# KiCad board ECUGDI.kicad_pcb (continued)
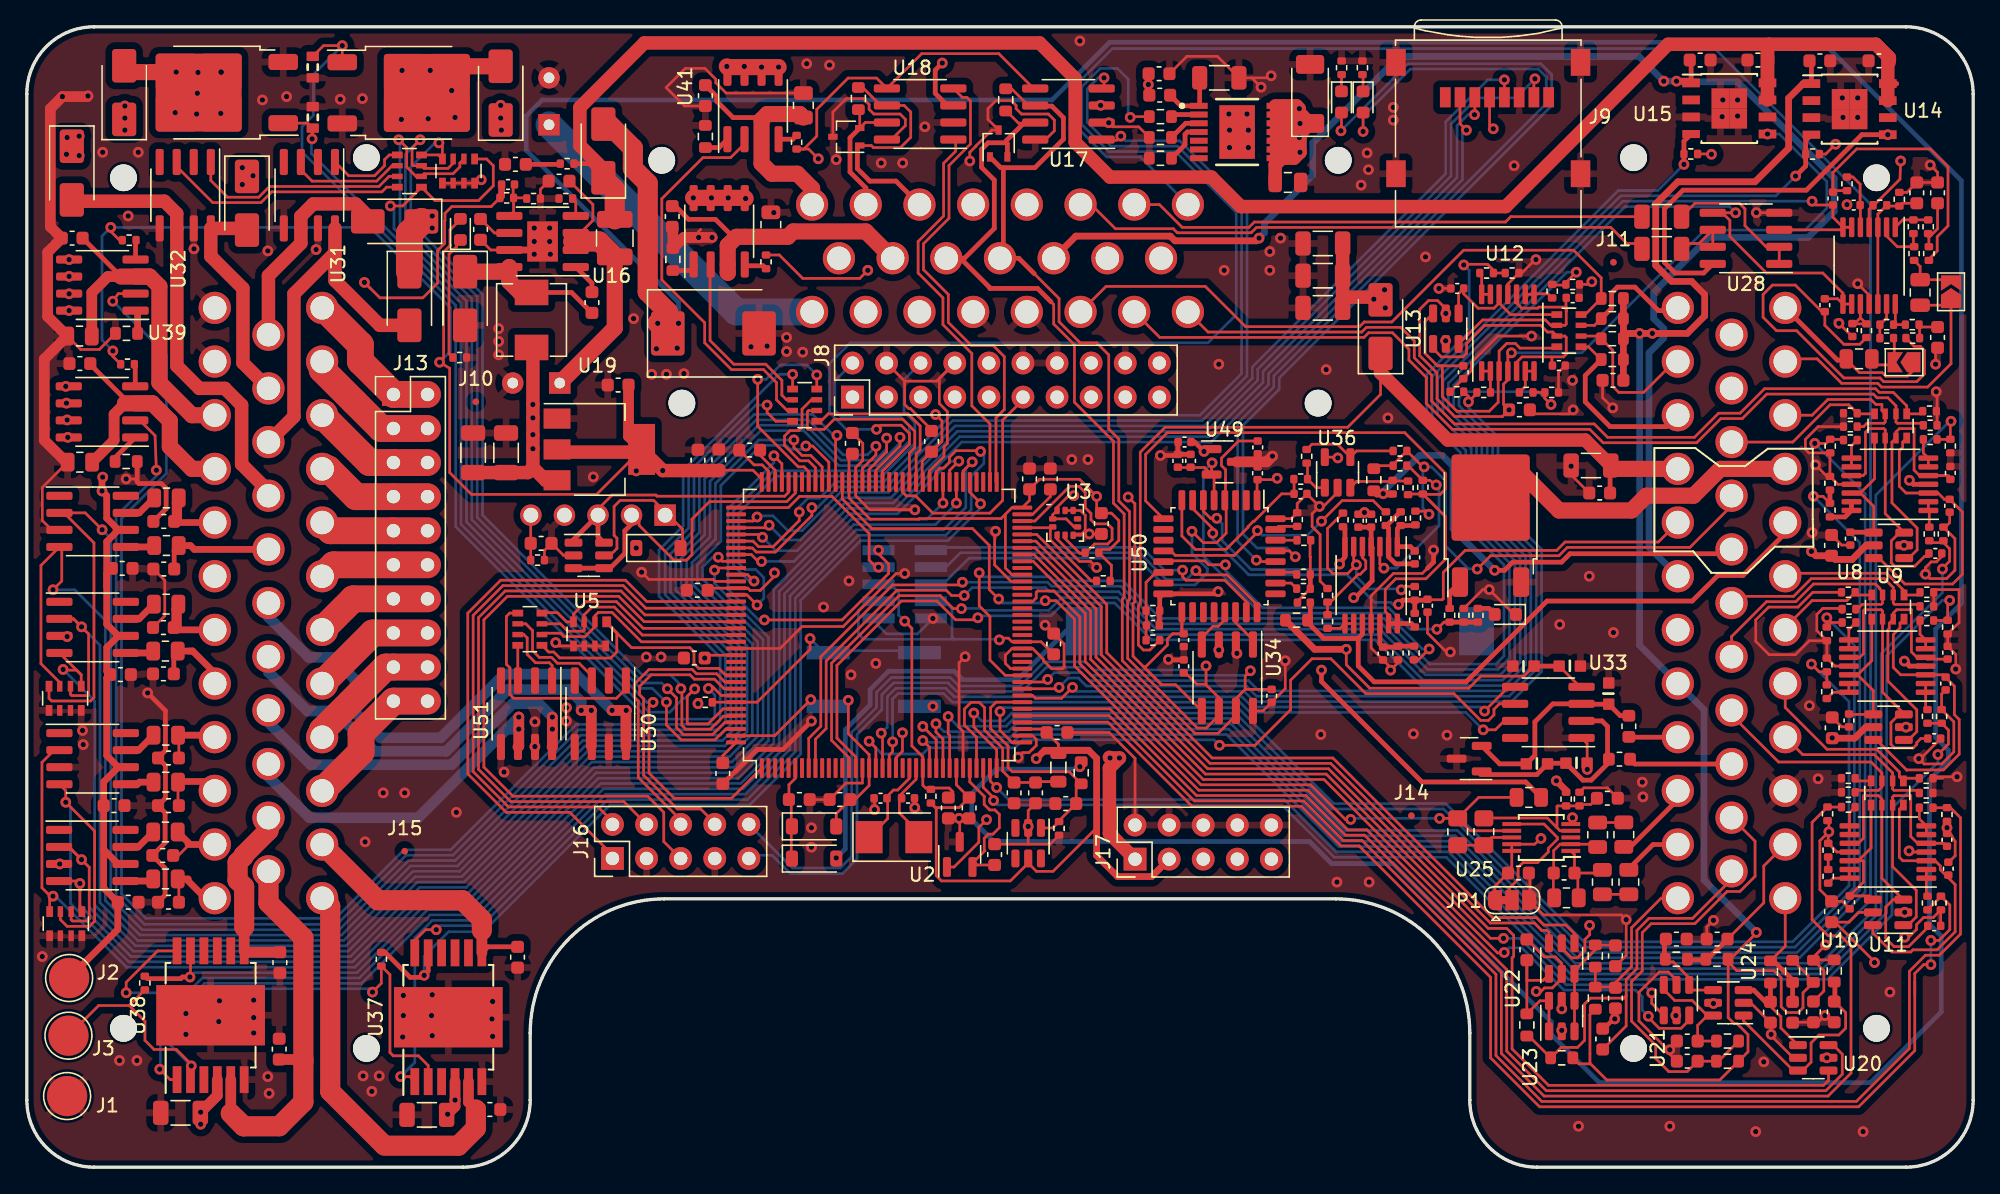
[diagram p0: board, top side]
## Routing (per net, layer and track width the routed paths; a pad name or vN(x,y) marks a point on that pad's centre or on a via; arc(x,y) is an arc through that point) (continued)
/ingect-1: length 47.2
  Top w0.2: U4.123 46.18,42.16 44.59,43.75 35.3,43.75 32.85,41.3 32.85,29.32 35.72,26.45 40.45,26.45 43.63,23.27 J16.1
/ingect-2: length 45
  Top w0.2: J16.2 43.63,25.77 42.55,26.85 35.88,26.85 33.25,29.48 33.25,41.13 35.47,43.35 44.43,43.35 46.12,41.66 U4.124
/ingect-3: length 46.3
  Top w0.2: J16.4 44.47,27.25 36.05,27.25 33.65,29.65 33.65,40.97 35.63,42.95 44.26,42.95 46.05,41.16 U4.125
/ingect-4: length 50
  Top w0.2: J16.5 47.45,24.27 47.45,26.45 46.25,27.65 36.22,27.65 34.05,29.82 34.05,40.8 35.8,42.55 44.1,42.55 45.98,40.66 U4.126
/ingect-5: length 39.7
  Top w0.8: v1(43.6,34.05) v1(44.65,34.05) 44.63,34.03 U30.8
  Bottom w0.8: v1(44.65,34.05) v1(43.6,34.05) 40.9,36.75 35.57,36.75 30.82,32 26.35,32 24.45,33.9 24.45,36.35 22.8,38 21,38 18,41 J4.18
/ingect-6: length 33.3
  Top w0.8: v1(41.3,34.05) v1(42.05,34.05) 42.05,31.37
  Bottom w0.8: J4.19 18,36.9 20.9,34 22.9,34 25.9,31 31.24,31 35.84,35.6 40.4,35.6 41.3,34.7 v1(41.3,34.05)
/ingect-7: length 27.9
  Top w0.5: 39.1,31.3 U51.8
  Top w0.8: v1(39.15,33.55) v1(39.15,32.65) 39.15,31.35 U51.8
  Bottom w0.8: J4.20 18,33.15 21.15,30 31.65,30 36.2,34.55 38.15,34.55 v1(39.15,33.55)
/ingect-8: length 27.1
  Top w0.8: v1(36.65,33.55) v1(36.65,32.65) 36.65,31.39 U51.6
  Bottom w0.8: J4.21 18,29.1 21.05,26.05 29.15,26.05 35.78,32.68 ; 35.78,32.68 35.8,32.65 v1(36.65,32.65) ; 35.78,32.68 v1(36.65,33.55)
/knock/FILTERED_1: length 131.3
  Top w0.2: U28.3 135.11,69.87 U27.7 ; U4.14 61.25,30.52 59.95,31.82 59.95,37.57 64.98,42.6 68.05,42.6 69.02,41.63 v1(69.62,41.63) ; U27.7 U27.6 ; U27.7 134.55,70.81 C135.2 133.28,71.72 v1(133,72)
  Bottom w0.2: 133.05,72 v1(133,72) 118.9,72 105.5,58.6 105.5,56.26 108,53.76 108,48.64 111.25,45.39 111.25,37.61 109.94,36.3 104.02,36.3 100.62,39.7 83.97,39.7 81.22,42.45 77.08,42.45 76.13,41.5 71.29,41.5 71.14,41.65 69.64,41.65 v1(69.62,41.63)
/knock/FILTERED_2: length 133.5
  Top w0.2: 134.2,64.73 134.91,64.73 U27.8 ; U27.9 U27.8 ; U27.8 135.3,65.15 133.8,66.65 129.6,66.65 126.88,69.38 126.88,70.58 126.31,71.14 U28.5 v1(127.3,71.14) ; v1(70.85,40.95) 70.7,40.8 69.2,40.8 67.8,42.2 65.15,42.2 60.35,37.4 60.35,31.98 61.75,30.58 U4.15
  Bottom w0.2: v1(70.85,40.95) 71,41.1 76.3,41.1 77.25,42.05 81.05,42.05 83.8,39.3 100.46,39.3 103.86,35.9 110.1,35.9 111.65,37.45 111.65,45.55 108.4,48.8 108.4,53.93 105.9,56.43 105.9,58.44 119.06,71.6 126.84,71.6 v1(127.3,71.14)
/knock/V_mid: length 10
  Top w0.2: C130.2 139.71,71.85 R138.1 138.62,71.64 R137.1 137.9,71.04 U27.3 U27.12
/KNOCK_1: length 21.1
  Top w0.2: C131.2 143.07,64.25 JP2.1 143.35,59.89 141.61,58.15 138.17,58.15 137.89,58.43 135.21,58.43 133.38,60.25 131.2,60.25 J5.11
/KNOCK_2: length 12.2
  Top w0.2: 135.5,59.85 135.9,59.85 136.52,59.23 138.23,59.23 138.5,58.95 140.1,58.95 140.57,59.43 140.57,59.8
  Top w0.35: 135.55,60.15 134.9,60.15 J5.12
/L_D: length 43.5
  Top w0.2: 120.45,68.85 119.2,68.85 118,70.05 91.61,70.05 91.21,69.65 85.71,69.65 85.41,69.95 81.1,69.95 79.3,71.75 J6.21
/lowside_quad4/IN1: length 62.1
  Top w0.2: 48.6,35.85 48.6,35.78 v1(48.72,35.66) 48.8,35.58 48.8,32.93 49.08,32.65 50.93,32.65 51.89,33.61 52.79,33.61 U4.140 ; v1(30.7,76.35) 30.96,76.09 RN7.8 30.66,75.45 RN8.4
  Bottom w0.2: 30.7,76.15 v1(30.7,76.35) 30.4,76.35 28.6,74.55 28.6,70.41 33.95,65.06 33.95,48.6 45.85,36.7 47.95,36.7 48.57,36.08 48.57,35.82 v1(48.72,35.66)
/lowside_quad4/IN2: length 64.3
  Top w0.2: U4.141 52,33.16 51.09,32.25 48.92,32.25 48.4,32.77 48.4,34.98 v1(47.72,35.66) ; RN7.7 31.76,74.84 31.38,74.45 29.6,74.45 RN8.3 28.8,74.65 28.7,74.75 28.7,75.98 v1(29.3,76.58) 29.3,76.6
  Bottom w0.2: v1(47.72,35.66) 47.29,36.09 45.89,36.09 33.55,48.43 33.55,64.9 28.2,70.25 28.2,75.5 29.3,76.6
/lowside_quad4/IN3: length 66.1
  Top w0.2: 47.56,34.75 v1(47.65,34.66) 47.65,32.95 48.75,31.85 51.26,31.85 52.07,32.66 U4.142 ; 27.7,76.6 28.3,76 28.3,74.55 29,73.85 RN8.2 29.6,74.05 31.75,74.05 32.26,74.56 32.26,74.85 RN7.6
  Bottom w0.2: 27.7,76.6 v1(27.7,76.58) 27.8,76.48 27.8,70.08 33.15,64.73 33.15,48.27 45.73,35.69 46.6,35.69 47.63,34.66 v1(47.65,34.66)
/lowside_quad4/IN4: length 73.1
  Top w0.2: RN7.5 34.25,75.15 34.75,74.65 34.75,73.15 33.65,72.05 30.4,72.05 RN8.1 28,71.65 v1(27.09,71.65) ; U4.1 52.5,27.5 48.23,27.5 46.35,29.38 46.35,34.35 v1(46.65,34.65)
  Bottom w0.2: v1(46.65,34.65) 46.18,34.65 46.18,34.67 32.75,48.1 32.75,64.57 27.35,69.97 27.35,71.39 v1(27.09,71.65)
/lowside_quad5/IN1: length 16.1
  Top w0.2: RN5.8 40.22,40.65 39.53,41.33 38.35,41.33 ; 40.72,41.1 40.72,41.23 41.65,42.15 43.93,42.15 45.92,40.16 U4.127
/lowside_quad5/IN2: length 17.4
  Top w0.2: RN5.7 41.53,40.05 41.42,39.95 40.3,39.95 39.75,40.5 RN6.3 ; 41.5,41.13 41.5,40.53 41.4,40.43 ; 38.45,40.43 38.35,40.53 ; U4.128 45.85,39.66 43.77,41.75 42.1,41.75 41.53,41.18 41.53,41.1
/lowside_quad5/IN3: length 16.8
  Top w0.2: U4.129 45.79,39.16 43.6,41.35 42.58,41.35 42.33,41.1 RN5.6 42.33,40.28 41.59,39.55 40.01,39.55 39.78,39.78 39.78,39.8 38.42,39.8 38.35,39.73
/lowside_quad5/IN4: length 21.2
  Top w0.2: RN6.1 38.88,38.4 39.26,38.4 39.7,37.96 41.31,37.96 41.32,37.95 43.5,37.95 43.95,38.4 43.95,39.83 RN5.5 43.42,40.95 43.42,40.35 45.05,38.73 49.39,38.73 49.7,38.42 49.7,37.53 50.06,37.18 51.56,37.18 52.07,36.66 U4.134
/LS13: length 27
  Top w1: D15.2 26.3,62.75 22.95,66.1 22.95,68.16 ; 22.95,68.16 U31.8 ; 22.95,68.16 19.9,65.1 19.9,55.95 J4.15
/LS14: length 16
  Top w1: D13.2 25.4,70.9 24.5,71.8 21.33,71.8 20.42,70.88 20.42,68.87 18,66.45 J4.13
/LS15: length 16.5
  Top w1: D16.2 16.28,69.98 U32.8 13.7,67.9 16.1,65.5 16.1,59.95 J4.14
/LS16: length 33.2
  Top w1: J4.16 18,50.4 16,52.4 16,56.8 14.75,58.05 12.85,58.05 11.17,59.73 11.17,69.97 U32.6 11.17,71.09 10.25,72 3.45,72 D14.2
/LSU_Blak: length 46.8
  Top w0.35: 131,48.05 131,47.25 127.85,44.1 125.97,44.1 124.07,42.2 113.25,42.2 107.23,36.18 100.38,36.18 99.19,37.36 99.19,39.41 ; C22.1 95.62,40.98 R13.2 95.41,40.61 96.61,39.41 99.19,39.41 ; 99.19,39.41 99.5,39.73 U35.10
/LSU_Green: length 41.9
  Top w0.2: J5.20 127,49.3 123.9,46.2 114.77,46.2 114.14,45.58 109.05,45.58 v1(108.05,44.58) ; 104.15,48.9 104.38,48.67 v1(104.46,48.67) 104.23,48.9 R11.1 ; R14.1 100.57,52.29 R10.1 101.79,52.37 R18.2 104,52.2 v1(104.1,52.2)
  Bottom w0.2: v1(108.05,44.58) 108.04,44.6 107.4,44.6 105.7,46.3 105.7,51.14 104.64,52.2 v1(104.1,52.2) 104,52.1 104,49.13 v1(104.46,48.67) 104.3,48.83
/LSU_Grey: length 67.8
  Top w0.2: R30.1 83.66,38.55 83.18,38.55 82.81,38.92 82.81,41.85 82.95,41.99 82.95,53.3 84.8,55.15 98.4,55.15 100.85,57.6 D2.1
  Top w0.35: C11.1 117.95,52.25 C10.1
  Top w1: D2.1 100.85,59.21 105.86,54.2 116.1,54.2 C10.1
  Top w1.2: J5.32 118.25,52.05 C10.1
/LSU_Red: length 35.7
  Top w0.35: v1(109.35,44.49) 110.09,44.49 110.7,45.1 114.34,45.1 114.96,45.73 126.68,45.73 J5.19
  Top w0.5: R14.2 100.59,50.18 101.03,50.18 v1(101.05,50.2) 101.07,50.18 R19.2
  Bottom w0.5: v1(101.05,50.2) 101.05,50.35 103.75,53.05 105.45,53.05 106.25,52.25 106.25,47.59 v1(109.35,44.49)
/LSU_White: length 22.9
  Top w1.2: J5.9 126.17,52.05 124.17,50.05 120.65,50.05 119.55,48.95 114.15,48.95 111.51,51.59 Q1.2 110.57,51.53
/LSU_Yellow: length 45
  Top w0.2: v1(88.35,47.25) 88.35,47.6 86.96,48.99 86.96,49.6 U50.7 ; 104.5,42.3 105.44,42.3 105.53,42.38 105.53,44.34 107.16,45.98 113.97,45.98 114.6,46.6 121.55,46.6 J5.31
  Top w0.35: 103.4,42.27 102.5,42.27 v1(102.19,41.95) 102.19,42.16 ; 103.4,42.27 R12.1 ; 103.4,42.27 104.47,42.27
  Bottom w0.2: v1(88.35,47.25) 88.35,46.83 91.03,44.15 98.35,44.15 100.4,42.1 101.62,42.1 101.77,41.95 v1(102.19,41.95)
/mcu/AT1: length 64.7
  Top w0.2: U4.44 74.93,35.16 75.14,34.95 77.09,34.95 v1(77.9,35.76) ; R97.2 107.4,57.45 v1(107.4,57.05) 108.03,57.68 R93.1
  Bottom w0.2: v1(77.9,35.76) 78.2,35.46 90.69,35.46 91.46,34.7 110.6,34.7 112.85,36.95 112.85,46.05 109.6,49.3 109.6,54.42 107.4,56.62 v1(107.4,57.05)
/mcu/AT2: length 72
  Top w0.2: U4.45 76.8,35.66 v1(76.9,35.76) 76.89,35.76 ; R94.1 R98.2 113.09,57.31 v1(113.55,56.85)
  Bottom w0.2: v1(113.55,56.85) 112.6,57.8 107.16,57.8 106.7,57.34 106.7,56.76 109.2,54.26 109.2,49.13 112.45,45.88 112.45,37.12 110.43,35.1 91.62,35.1 90.86,35.86 78.94,35.86 78.34,36.46 77.6,36.46 v1(76.9,35.76)
/mcu/AT3: length 77.8
  Top w0.2: U4.46 75.85,36.16 v1(76.05,36.36) 76,36.41 ; 114.65,65.75 113.7,65.75 R95.1 ; R99.2 114.65,65.93 v1(115.43,66.71)
  Bottom w0.2: v1(115.43,66.71) 114.74,66.71 106.3,58.27 106.3,56.59 108.8,54.09 108.8,48.97 112.05,45.72 112.05,37.28 110.27,35.5 91.79,35.5 91.03,36.26 79.14,36.26 78.54,36.86 76.55,36.86 v1(76.05,36.36)
/mcu/AT4: length 88.3
  Top w0.2: U4.47 72.89,36.66 71.75,37.8 71.75,41.04 70.95,41.84 v1(70.95,44.3) 70.98,44.33 ; v1(107.05,67.25) 107.1,67.3 108.82,67.3 109.47,66.65 R100.2
  Bottom w0.2: v1(70.95,44.3) 71.25,44 76.21,44 76.51,43.7 81.66,43.7 84.46,40.9 101.12,40.9 104.52,37.5 109.44,37.5 110.05,38.11 110.05,44.89 106.8,48.14 106.8,53.26 104.3,55.76 104.3,59.1 107.45,62.25 107.45,66.85 v1(107.05,67.25)
/mcu/BARO_SCL: length 8
  Top w0.2: U4.69 76.36,47.66 U3.2 76.25,47.55 76.25,46.76 79.31,43.7 R42.2
/mcu/BARO_SDA: length 15.6
  Top w0.2: 78.84,45.75 79.54,46.45 80.52,46.45 80.85,46.78 80.85,47.62 80.52,47.95 79.58,47.95 79.28,48.26 79.28,48.73 78.85,49.16 78.85,50.28 78.38,50.75 77.69,50.75 75.1,48.16 U4.70 ; U3.4 77.35,46.85 78.45,45.75 78.62,45.75 78.85,45.99
/mcu/BOOT0: length 18.6
  Top w0.2: R44.1 51.07,34.66 U4.138 54.41,34.66 58.35,38.6 v1(58.35,39.4)
  Bottom w0.2: v1(58.35,39.4) 59.25,38.5 66.9,38.5
/mcu/CAN2_RX: length 35.2
  Top w0.2: U4.73 72.2,51.13 72.2,55.85 72.82,56.47 72.82,60.42 71.99,61.25 70.37,61.25 68.65,62.97 68.65,65.05 66.8,66.9 66.8,68.83 68.7,70.73 68.7,74.66 70.3,76.26 70.3,79.48 70.04,79.74 69.69,79.74 U18.4
/mcu/CAN2_TX: length 29
  Top w0.2: U18.1 69.2,76.43 69.2,75.73 68.3,74.83 68.3,70.9 66.4,69 66.4,66.65 68.25,64.8 68.25,62.8 70.4,60.65 70.4,56.75 71.75,55.4 U4.74
/mcu/CAN_RX: length 75.3
  Top w0.2: v1(80.25,81.2) 80.25,80.61 80,80.36 ; U4.114 54.11,46.66 54.52,46.25 55.6,46.25 57.54,48.19 v1(57.54,48.83)
  Bottom w0.2: 80.2,81.25 v1(80.25,81.2) 79.83,81.2 79,80.37 79,77.88 80.78,76.1 85.73,76.1 90.5,71.33 90.5,59.15 87.4,56.05 68.82,56.05 63.87,51.1 60.28,51.1 59.04,49.87 58.19,49.87 57.54,49.21 v1(57.54,48.83)
/mcu/CAN_TX: length 69.9
  Top w0.2: 58.35,49.05 58.37,49.05 v1(58.48,49.17) 58.48,48.57 55.77,45.85 54.35,45.85 54.05,46.15 53.85,46.15 53.84,46.16 U4.115 ; v1(81.5,76.85) 81.2,76.55 80,76.55
  Bottom w0.2: v1(58.48,49.17) 58.91,49.17 60.44,50.7 64.04,50.7 68.99,55.65 87.57,55.65 90.9,58.98 90.9,71.5 85.9,76.5 81.85,76.5 v1(81.5,76.85)
/mcu/DIGITAL1: length 105.2
  Top w0.2: U4.96 60.75,49.82 61.15,49.42 61.15,49.4 62.95,47.6 70.45,47.6 71.7,46.35 71.7,43.05 v1(72.4,42.35) 72.4,42.2 ; U20.6 134.57,9.1 135.25,8.42 135.25,6.93 134.02,5.7 113.2,5.7 110.25,8.65 110.25,14.72 99.82,25.15 98.41,25.15 95.46,28.1 87.31,28.1 78.05,37.36 78.05,40.85 76.68,42.22 v1(75.87,42.22)
  Bottom w0.2: v1(75.87,42.22) 75.69,42.05 72.7,42.05 v1(72.4,42.35)
/mcu/DIGITAL2: length 67.9
  Top w0.2: U21.6 123.85,10.96 123.24,10.35 121.61,10.35 120.8,11.16 v1(120.8,11.25) ; U4.64 74.97,45.16 78.85,41.28 78.85,37.69 87.64,28.9 96.64,28.9 109.57,15.97 110.03,15.97 v1(110.07,16) ; 123.85,11.11 123.85,11.15 123.9,11.2
  Bottom w0.2: v1(120.8,11.25) 120.35,11.7 120.35,12.7 119.85,13.2 114.51,13.2 111.36,16.35 110.41,16.35 v1(110.07,16)
/mcu/DIGITAL3: length 64.6
  Top w0.2: v1(110.01,17.06) 109.05,17.06 96.8,29.3 87.81,29.3 79.25,37.86 79.25,41.45 75.04,45.66 U4.65 ; U21.4 121.06,12.21 v1(121.06,12.99)
  Bottom w0.2: v1(110.01,17.06) 111.22,17.06 114.68,13.6 120.44,13.6 v1(121.06,12.99)
/mcu/DIGITAL4: length 54.3
  Top w0.2: 113.4,16.64 113.4,17.5 113.25,17.65 112.85,17.65 112.3,18.2 109.03,18.2 97.13,30.1 88.14,30.1 80.05,38.19 80.05,41.78 75.17,46.66 U4.67
/mcu/DIGITAL5: length 84.8
  Top w0.2: U4.66 75.1,46.16 79.65,41.62 79.65,38.02 87.97,29.7 96.97,29.7 108.87,17.8 110.25,17.8 110.77,17.28 110.77,15.71 110.65,15.6 110.65,8.81 113.36,6.1 133.85,6.1 134.22,6.48 U20.4
/mcu/DIGITAL6: length 56.3
  Top w0.2: U4.68 75.24,47.16 80.45,41.95 80.45,38.35 88.3,30.5 97.3,30.5 109.2,18.6 112.47,18.6 113.02,18.05 114.65,18.05 115.3,17.4 115.3,16.64
/mcu/nRESET: length 19.3
  Top w0.2: 69,27.98 68.72,28.26 66.96,28.26 66.75,28.47 U4.25 66.75,30.59 65.93,31.41 65.93,40.17 v1(65.4,40.7)
  Bottom w0.2: J7.6 64.35,43.45 64.95,42.85 64.95,41.15 v1(65.4,40.7)
/mcu/SD_CS: length 73.1
  Top w0.2: U4.116 53.97,45.66 54.48,45.15 v1(54.74,45.15) ; v1(107.25,77.3) 106.78,77.77 J9.2
  Bottom w0.2: v1(107.25,77.3) 106.95,77 106.95,73.6 92.5,59.15 92.5,58.32 88.23,54.05 69.65,54.05 64.7,49.1 61.11,49.1 57.16,45.15 v1(54.74,45.15)
/mcu/SD_MISO: length 78.4
  Top w0.2: J9.7 112.28,81.05 v1(112.35,81.13) ; U4.112 55.11,47.66 v1(55.3,47.85)
  Bottom w0.2: v1(112.35,81.13) 110.93,79.7 108.05,79.7 106.1,77.75 106.1,73.88 91.7,59.48 91.7,58.65 87.9,54.85 69.32,54.85 64.37,49.9 60.77,49.9 57.62,46.75 56.4,46.75 v1(55.3,47.85)
/mcu/SD_MOSI: length 73.1
  Top w0.2: U4.113 54.59,47.16 v1(54.81,46.95) ; J9.3 107.88,78.48 v1(107.85,78.45)
  Bottom w0.2: v1(54.81,46.95) 55.81,45.95 57.39,45.95 60.94,49.5 64.54,49.5 69.49,54.45 88.06,54.45 92.1,58.49 92.1,59.32 106.55,73.77 106.55,77.63 107.37,78.45 v1(107.85,78.45) 107.9,78.4
/mcu/SD_SCK: length 75.8
  Top w0.2: U4.111 54.1,48.16 v1(54.4,48.46) ; v1(110.07,81.05) J9.5
  Bottom w0.2: v1(110.07,81.05) 108.83,81.05 105.7,77.92 105.7,74.05 91.3,59.65 91.3,58.82 87.73,55.25 69.15,55.25 64.2,50.3 60.61,50.3 57.76,47.45 56.69,47.45 55.59,48.55 54.49,48.55 v1(54.4,48.46)
/mcu/SWCLK: length 14.3
  Top w0.2: v1(63.45,44.72) 63.28,44.72 62.75,45.25 62.75,47.23 59.98,50 57.57,50 56.74,49.16 U4.109
/mcu/SWDIO: length 30.3
  Top w0.2: 55.93,52.75 v1(55.66,53.03) 56.25,52.43 U4.105 ; v1(54.95,40.79) 60.74,40.79 64.2,44.25 64.2,44.96 63.45,45.71 v1(63.45,45.99)
  Bottom w0.2: v1(54.95,40.79) 54.53,40.79 52.24,43.08 52.24,49.09 55.66,52.51 v1(55.66,53.03)
/mcu/VR_1: length 51.6
  Top w0.2: v1(105.25,26) R134.1 ; R134.1 108.16,27.56 R135.2 ; R134.1 107.53,25.08 U25.7 ; v1(98.62,25.92) 98.23,25.92 95.65,28.5 87.47,28.5 78.45,37.52 78.45,41.02 76.52,42.95 75.3,42.95 75.2,42.85 75.2,42.43 74.93,42.16 U4.58
  Bottom w0.2: v1(105.25,26) 98.7,26 v1(98.62,25.92)
/OUT_INJ1_N: length 11.2
  Top w2: J13.2 J13.1 24.85,60.06 24.85,61.3 22.1,64.05 J4.24
/OUT_INJ1_P: length 10.3
  Top w2: J13.4 J13.3 26.38,55.06 22,59.44 J4.25
/OUT_INJ2_N: length 9.3
  Top w2: J4.26 25.53,52.52 J13.5 J13.6
/OUT_INJ2_P: length 8.7
  Top w2: J4.27 22.45,52.05 24.52,49.98 J13.7 J13.8
/OUT_INJ3_N: length 8.1
  Top w2: J4.28 22.61,47.44 J13.9 J13.10
/OUT_INJ3_P: length 8.2
  Top w2: J13.12 22.85,44.9 J4.29
/OUT_INJ4_N: length 8.8
  Top w2: J4.30 24.31,42.36 J13.14
/OUT_INJ4_P: length 9.4
  Top w2: J13.16 25.77,39.82 J4.31
/OUT_LS1: length 72.5
  Top w0.2: 74.8,71.45 J6.20
  Top w1.2: D1.2 31.93,82.06 Q2.2
  In2.PWR w1.5: v1(31.9,78.25) 32,78.25 34.95,75.3 41.35,75.3 45,78.95 69.85,78.95 74.5,74.3 J6.20 ; v1(31.9,78.25) 31.75,78.1 v1(27.9,78.1) ; v1(31.9,78.25) 31.9,80 v1(31.65,80.25) 31.55,80.25 30.78,81.03 ; v1(27.9,78.1) 30.78,80.98 30.78,81.03 ; v1(27.9,78.1) 27.9,81.7 v1(27.95,81.75) v1(30.05,81.75) 30.78,81.03
  vias: v1(29.9,78.15)
/OUT_LS2: length 84.7
  Top w1.2: v1(11.12,81.63) 7.72,81.63 D7.2
  In2.PWR w1.2: 12.65,78.6 v1(11.05,78.6) 11.05,81.55 v1(11.12,81.63)
  In2.PWR w1.5: v1(12.75,81.6) 12.7,81.55 v1(12.7,80.05) 12.7,78.65 12.65,78.6 ; J6.19 65.9,76.35 61.95,76.35 61.25,77.05 45.7,77.05 40.6,71.95 33.52,71.95 32.47,73 21.45,73 15.9,78.55 v1(14.45,78.55) ; v1(14.45,78.55) 11.1,78.55 v1(11.05,78.6) ; v1(14.45,78.55) 14.45,81.6 v1(14.47,81.63) v1(11.12,81.63)
  vias: v1(12.65,78.5)
/out_pump1_H: length 20.3
  Top w0.2: J16.6 48.71,25.89 45.55,29.05 45.55,34.75 45.25,35.05 45.25,36 46.35,37.1 49.57,37.1 49.89,36.78 51.39,36.78 52,36.16 U4.135
/out_pump2_H: length 21.6
  Top w0.2: J16.8 51.25,25.65 50.2,26.7 48.47,26.7 45.95,29.22 45.95,34.92 45.65,35.22 45.65,35.83 46.52,36.7 49.4,36.7 49.72,36.38 51.23,36.38 51.94,35.66 U4.136
/out_pump_L1: length 75.6
  Top w0.2: U4.137 51.74,35.16 51.1,35.8 50.9,35.8 v1(50.78,35.68) ; R3.2 22.1,83.6 v1(23.5,83.6) Q2.1
  Bottom w0.2: v1(50.78,35.68) 51.25,35.2 51.25,33.55 51.1,33.4 46.29,33.4 37.04,42.65 37.04,42.66 31.95,47.75 31.95,64.23 20.5,75.68 20.5,77.55 21.35,78.4 21.35,81.45 v1(23.5,83.6)
/out_pump_L2: length 68.1
  Top w0.2: Q3.1 20.93,77.82 21.25,77.5 v1(21.25,76.65) 21.3,76.7 R4.2 ; v1(49.75,35.65) 49.2,35.1 49.2,33.1 49.25,33.05 50.76,33.05 51.87,34.16 U4.139
  Bottom w0.2: 21.2,76.6 21.2,75.55 32.35,64.4 32.35,47.92 46.36,33.91 47.89,33.91 48.35,34.37 48.35,34.4 48.91,34.96 49.06,34.96 v1(49.75,35.65)
/OUT_PUMP_N: length 10.3
  Top w2: J4.32 22,32.54 26.74,37.28 J13.17 J13.18
/OUT_PUMP_P: length 11.4
  Top w2: J13.20 J13.19 24.9,32.33 24.9,30.95 J4.33
/OUT_Start: length 80.6
  Top w0.2: v1(82.2,78.25) 82.25,78.31 R1.1 ; 63.5,55.2 v1(63.3,55) 63.6,55.3 65.14,55.3 65.75,54.69 65.75,53.88 63.75,51.88 U4.90
  Bottom w0.2: 82.25,78.5 v1(82.2,78.25) 82.05,78.4 82.05,81.1 81.25,81.9 79.96,81.9 78.6,80.54 78.6,77.72 80.62,75.7 85.57,75.7 90.1,71.17 90.1,63.55 88,61.45 61.35,61.45 59.8,59.9 59.8,56.24 61.04,55 v1(63.3,55)
/quad_analog3/IN4: length 1.3
  Top w0.2: R80.1 136.41,28.79 RN3.4
/quad_analog3/OUT4: length 0.9
  Top w0.2: R84.1 R88.2
/R_D: length 39.5
  Top w0.2: J6.22 84.38,71.75 86.08,70.05 91.04,70.05 91.44,70.45 110.16,70.45 110.56,70.85 120.32,70.85
  Top w1.5: 82.4,71.65 J6.22
  In2.PWR w1.5: 82.5,72.2 J6.22
/starter: length 71.2
  Top w1: v1(94.85,75.65) 94.64,75.86 U1.9 ; v1(94.85,75.65) 94.41,75.21 93.5,75.21 ; v1(94.85,75.65) 94.85,76.7 v1(94.8,76.75) 94.56,76.51 U1.10 ; v1(94.8,78.9) 94.59,79.11 U1.14 ; U1.13 94.94,78.46 D8.1 94.96,77.16 U1.11 ; 93.5,75.21 93,74.71 93,73.3 ; 93.5,75.21 U1.8 ; U1.12 94.84,77.81 v1(94.85,77.8)
  In2.PWR w2.5: 94.85,78.4 v1(94.8,78.9) v1(94.85,77.8) 94.85,76.8 v1(94.8,76.75)
  In2.PWR w3: 94.85,74.2 94.85,73.75 97.55,71.05 122.2,71.05 127,66.25 J5.23 J5.22 ; 94.85,74.2 v1(94.85,75.65) ; 94.85,74.2 94.85,78.85 v1(94.8,78.9)
/UART_RX: length 34.1
  Top w0.2: v1(54.17,43.69) 53.7,44.16 U4.119
  Bottom w0.2: J8.2 60.2,58.63 60.2,56.41 60.71,55.9 65.1,55.9 65.75,55.25 65.75,54.11 63.54,51.9 55.62,51.9 52.64,48.92 52.64,44.86 53.81,43.69 v1(54.17,43.69)
/UART_TX: length 32.3
  Top w0.2: v1(54.4,41.9) 53.64,42.66 U4.122
  Bottom w0.2: v1(54.4,41.9) 54.9,42.4 54.9,43.95 54.3,44.55 53.52,44.55 53.04,45.03 53.04,48.76 55.78,51.5 63.71,51.5 66.15,53.94 66.15,55.5 65.35,56.3 65.35,58.7 J8.6
/USB_D+: length 21.8
  Top w0.2: 43.11,48.25 42.9,48.25 J12.3 42.55,49.05 43.6,50.1 46.87,50.1 46.95,50.01 56.46,50.01 56.75,50.31 U4.104
  Top w0.35: U5.6 42.55,47 J12.3 40.72,46.78 U5.1
/USB_D-: length 25.3
  Top w0.2: 45.61,48.5 45.61,47.85 48.21,45.25 49.14,45.25 49.55,45.66 49.55,48.3 50.86,49.61 56.62,49.61 57.25,50.24 U4.103
  Top w0.35: U5.3 U5.4 43.45,44.65 44.55,45.75 44.55,47.44 45.61,48.5
/USB_SHIELD: length 3.5
  Top w0.2: 38.11,48.5 37.54,47.93 C78.1 37.54,46.5 R52.1
/VR1+: length 6.1
  Top w0.35: J5.26 123,27.4 119.47,23.88 R121.2
/VR1-: length 4.5
  Top w0.35: J5.25 121.15,24.05 119.35,22.25 R122.2
/WDO/Boot0: length 1.7
  Top w0.2: U50.31 93.25,47.77 94.64,47.77